# Altium PCB MP_PCBv2.PcbDoc (part 1 of 2)
Units mil, origin at the board's own origin, x right, y up, seen from the top; angles counter-clockwise.
Board outline 3645 x 2075 mil, 2 copper layers (Top Layer, Bottom Layer); 132 components, 125 nets, 476 pads, 163 vias.
Unrouted connection lines stored in the file: 10.
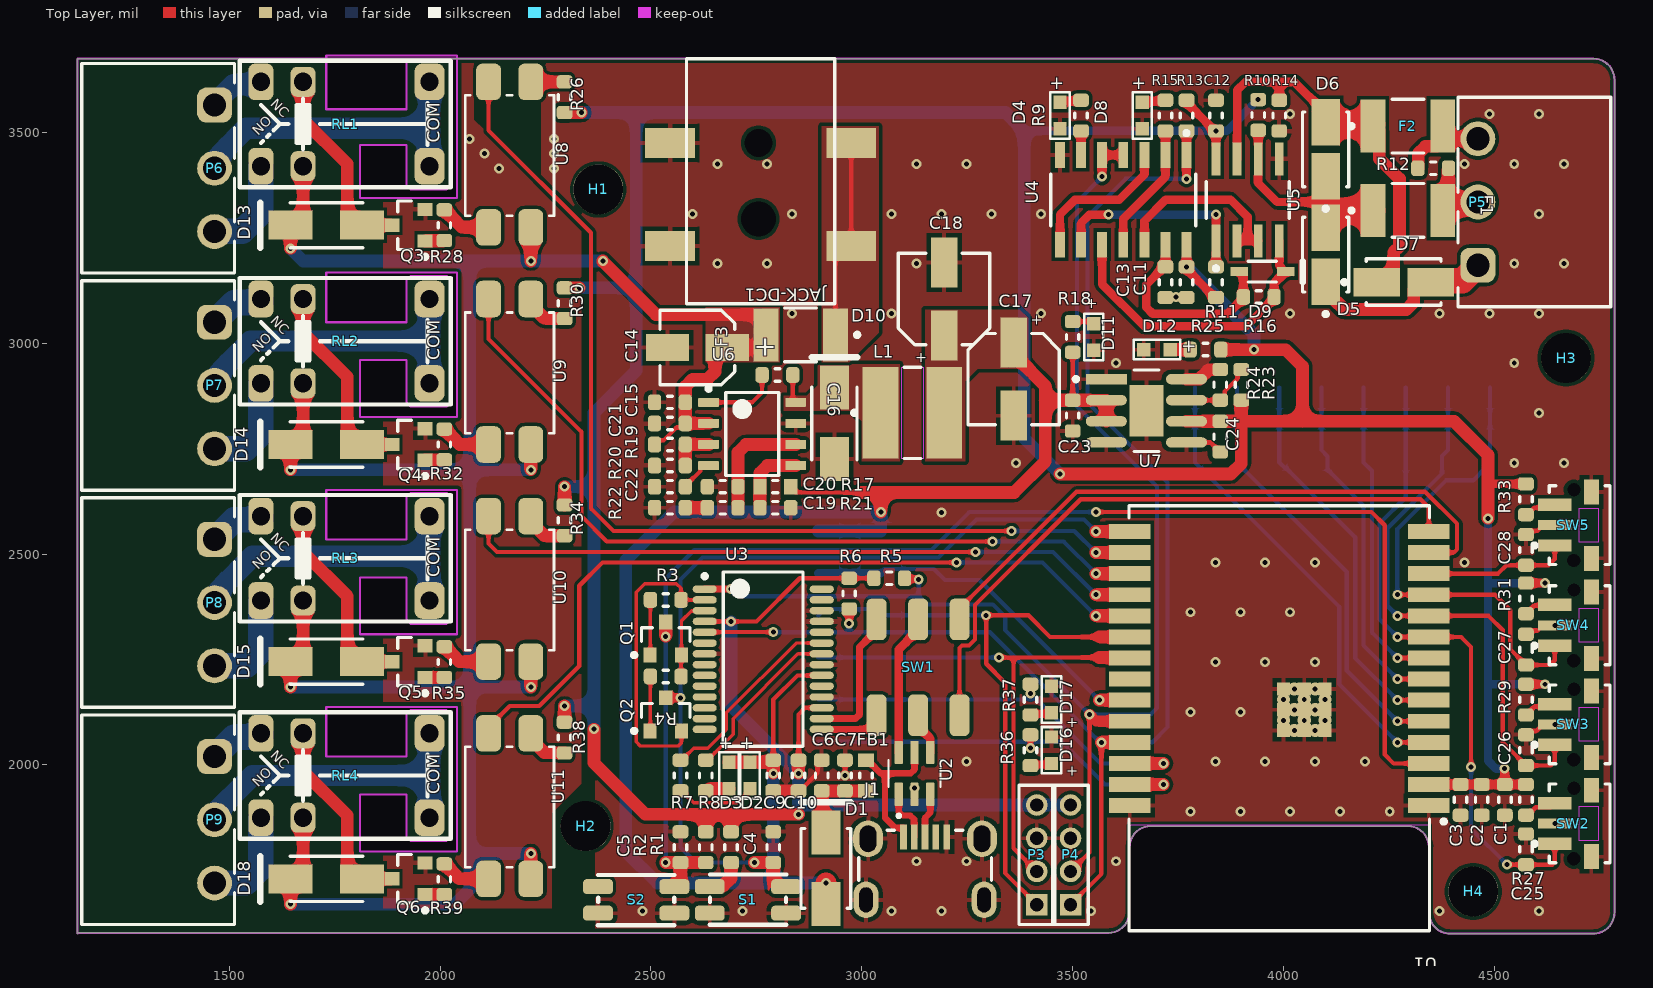
[diagram p0: Top Layer view]
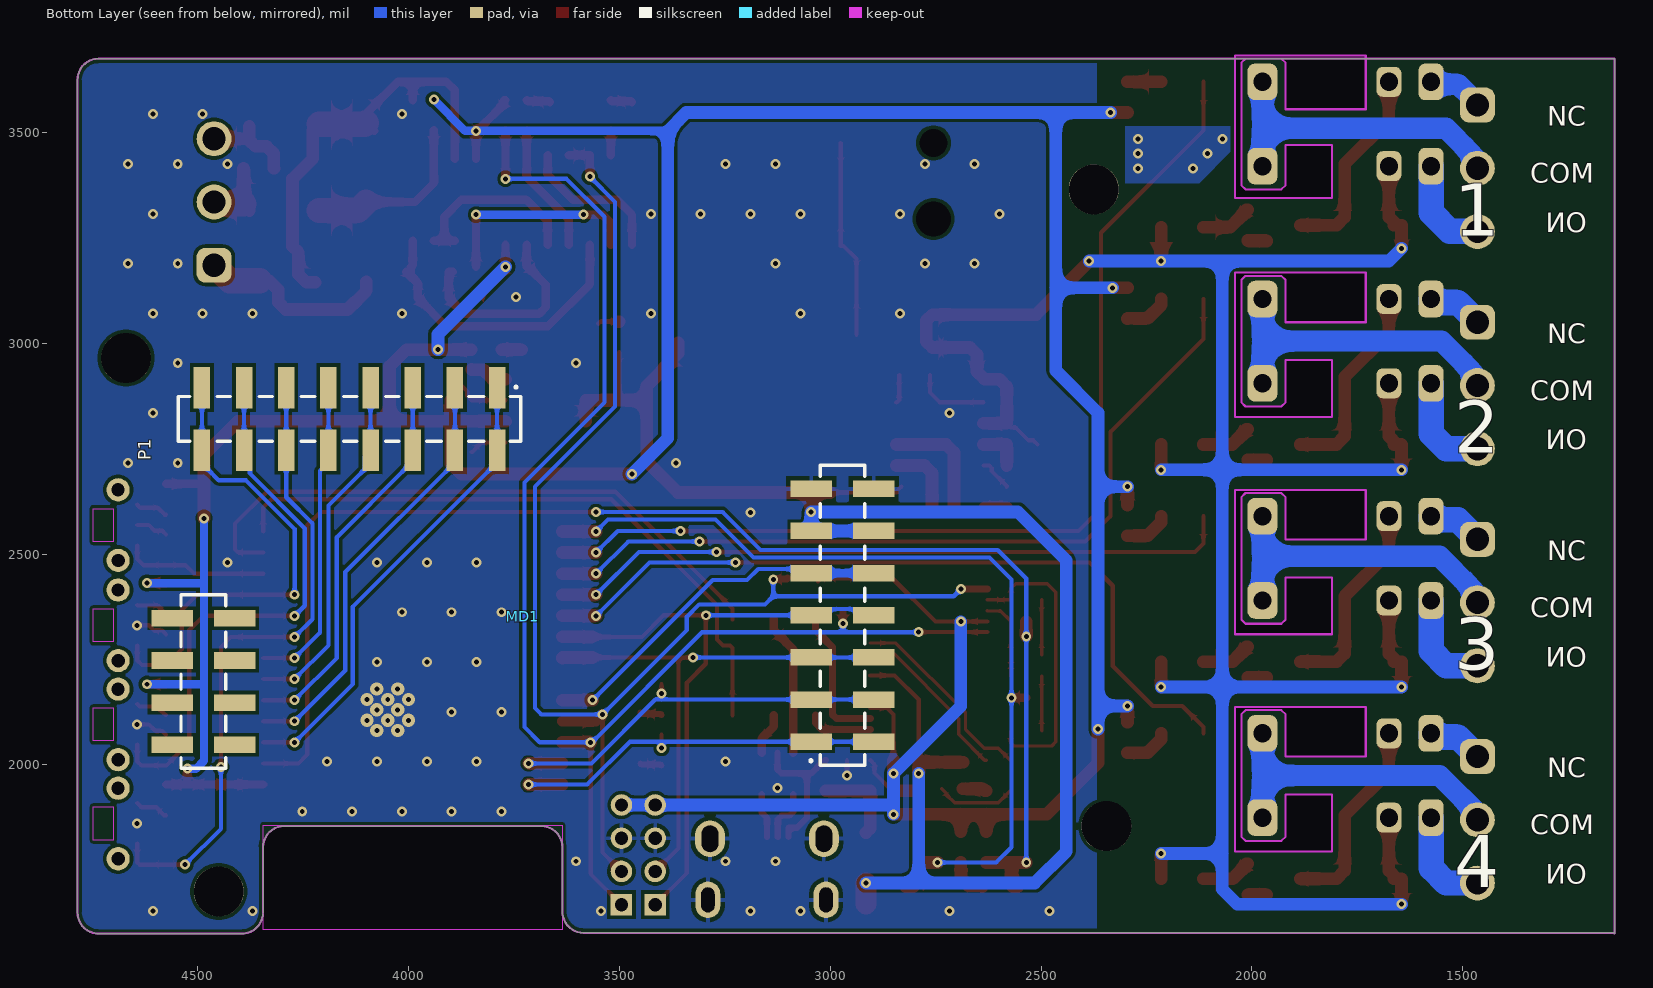
[diagram p1: Bottom Layer view, seen from below]
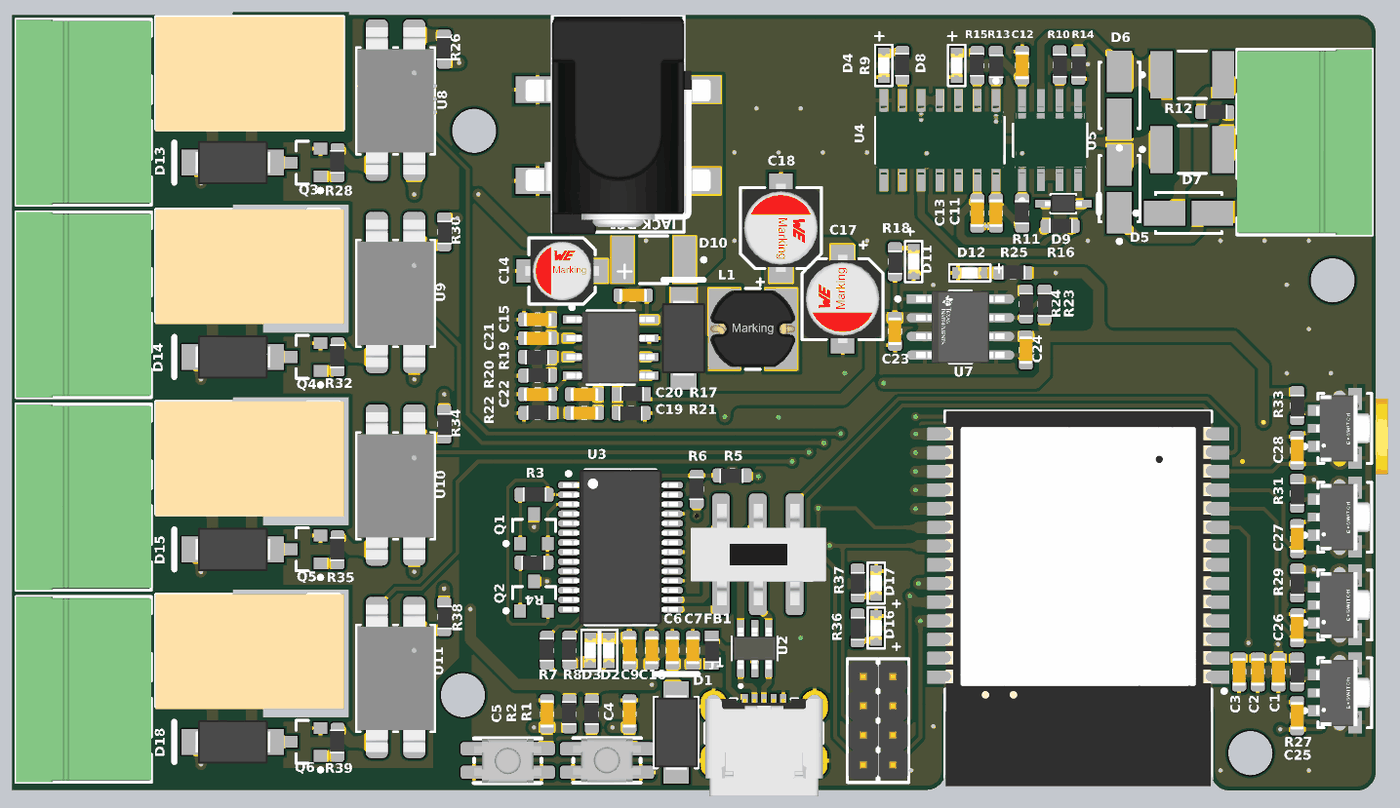
[diagram p3: 3D render of the assembled board from above, using the file's embedded part models]

## Layer stack, top to bottom
Top Solder: solder mask 0.4, Solder Resist, Dk 3.5
Top Layer: signal copper 1.4
Dielectric 1: dielectric 12.6, FR-4, Dk 4.8
Bottom Layer: signal copper 1.4
Bottom Solder: solder mask 0.4, Solder Resist, Dk 3.5

## Board outline
1140,1600 1141.95,1601.95 3585,1601.95 ccw(c3585,1651.95) 3635,1651.95 3635,1805 cw(c3685,1805) 3685,1855 4295,1855 cw(c4295,1805) 4345,1805 4345,1650 ccw(c4395,1650) 4395,1600 4735,1600 ccw(c4735,1650) 4785,1650 4785,3625 ccw(c4735,3625) 4735,3675 1140,3675
cut-out: 1920,3375 1920,3470 1810,3470 1810,3345 2040,3345 2040,3682.5 1730,3682.5 1730,3555 1920,3555 1920,3665 1930,3675 2015,3675 2025,3665 2025,3375 2015,3365 1930,3365
cut-out: 1810,2310 1810,2445 1920,2445 1920,2345 1930,2335 2015,2335 2025,2345 2025,2635 2015,2645 1930,2645 1920,2635 1920,2535 1730,2535 1730,2652.5 2040,2652.5 2040,2310
cut-out: 1810,1930 1920,1930 1920,1830 1930,1820 2015,1820 2025,1830 2025,2120 2015,2130 1930,2130 1920,2120 1920,2020 1730,2020 1730,2137.5 2040,2137.5 2040,1795 1810,1795
cut-out: 1810,2825 1810,2960 1920,2960 1920,2860 1930,2850 2015,2850 2025,2860 2025,3150 2015,3160 1930,3160 1920,3150 1920,3050 1730,3050 1730,3167.5 2040,3167.5 2040,2825

## Design rules (kind name [scope] priority, off if disabled: settings)
Clearance [All] p1: gap=8 ignorepadtopadclearanceinfootprint=TRUE
PolygonConnect PolygonConnect_2 [All vs IsNamedPolygon('GND_L01_P010') Or IsNamedPolygon('GND_L02_P009')] p1: connectstyle=Relief reliefconductorwidth=10 reliefentries=4 polygonreliefangle="90 Angle" airgapwidth=10
PolygonConnect PolygonConnect_1 [All vs IsNamedPolygon('5V_L01_P003') Or IsNamedPolygon('12V_L01_P000') Or IsNamedPolygon('NETC16_2_L01_P002') Or IsNamedPolygon('NETF3_1_L01_P001')] p2: thpad.connectstyle=Direct thpad.reliefconductorwidth=10 thpad.reliefentries=4 thpad.polygonreliefangle="90 Angle" thpad.airgapwidth=10 smdpad.connectstyle=Direct smdpad.reliefconductorwidth=10 smdpad.reliefentries=4 smdpad.polygonreliefangle="90 Angle" smdpad.airgapwidth=10 via.connectstyle=Relief via.reliefconductorwidth=10 via.reliefentries=4 via.polygonreliefangle="90 Angle" via.airgapwidth=10
PolygonConnect [All] p3: connectstyle=Relief reliefconductorwidth=10 reliefentries=4 polygonreliefangle="90 Angle" airgapwidth=10
RoutingCorners [All] p1: cornerstyle=45-Degree minsetback=50 maxsetback=50
RoutingTopology [All] p1: topology=Daisy_Balanced
RoutingVias [All] p1: holewidth=28 width=50 viastyle="Through Hole" minholewidth=28 minwidth=50 maxholewidth=28 maxwidth=50
SolderMaskExpansion [All] p1: expansion=4 istentingtop=FALSE
SupplyNets "Schematic Supply Nets_4" [InNet('3V3')] p1: voltage=0.000
SupplyNets "Schematic Supply Nets_3" [InNet('GND')] p2: voltage=0.000
SupplyNets "Schematic Supply Nets_2" [InNet('12V')] p3: voltage=0.000
SupplyNets "Schematic Supply Nets_1" [InNet('5V')] p4: voltage=0.000
SupplyNets "Schematic Supply Nets" [InNet('5V_USB')] p5: voltage=0.000
UnRoutedNet [All] p1: checkbadconnections=TRUE
UnpouredPolygon [All] p1: allowunpoured=TRUE
Width [All] p1: maxlimit=60 minlimit=8 preferedwidth=15 minimp=50.000000 maximp=50.000000 favimp=50.000000
26 further rules are at their usual default settings.

## Classes and differential pairs
component class "[MP] TTL UART USB": C6 C7 C9 C10 D1 D2 D3 FB1 J1 R5 R6 R7 R8 SW1 U2 U3
component class "[MP] RS485": C11 C13 D4 D5 D6 D7 D8 D9 F1 F2 P5 R9 R10 R11 R12 R13 R14 R15 R16 U4 U5
component class "[MP] Relay Control": C25 C26 C27 C28 D13 D14 D15 D16 D17 D18 P6 P7 P8 P9 Q3 Q4 Q5 Q6 R26 R27 R28 R29 R30 R31 R32 R33 R34 R35 R36 R37 R38 R39 RL1 RL2 RL3 RL4 SW2 SW3 SW4 SW5 U9 U10 U11
component class "[MP] Power Circuit": C14 C15 C16 C17 C18 C19 C20 C21 C22 C23 C24 D10 D11 D12 F3 H1 H2 H3 H4 JACK-DC1 L1 R17 R18 R19 R20 R21 R22 R23 R24 R25 U6 U7
component class "[MP] MCU": C1 C2 C3 C4 C5 P1 P3 P4 Q1 Q2 R1 R2 R3 R4 S1 S2 U1
component class "[MP] LoRa": MD1

## Components (designator, comment, footprint, x,y, rotation, side; value= is the part's Value field where it differs from the comment)
C1 "0106031061010" CAP_0603 4525,1917.28 r90 top value=10µF
C2 "0106031051016" CAP_0603 4470,1917.28 r90 top value=1µF
C3 "0106031041050" CAP_0603 4420,1917.28 r90 top value=100nF
C4 "0106031041050" CAP_0603 2790,1805 r90 top value=100nF
C5 "0106031041050" CAP_0603 2570,1805 r270 top value=100nF
C6 "0106031061010" CAP_0603 2905,1975 r270 top value=10µF
C7 "0106031041050" CAP_0603 2960,1975 r90 top value=100nF
C9 "0106031041050" CAP_0603 2790,1975 r90 top value=100nF
C10 "0106031041050" CAP_0603 2850,1975 r90 top value=100nF
C11 "0106031041050" CAP_0603 3770,3145 r90 top value=100nF
C12 "0106031041050" CAP_0603 3840,3540 r270 top value=100nF
C13 "0106031010550" CAP_0603 3720,3145 r90 top value=100pF
C14 "865080340003" WCAP-ASLI_D4H5.5 2610,2990 r0 top value=22µF
C15 "0106031041050" CAP_0603 2545,2860 r180 top value=100nF
C16 "0106031041050" CAP_0603 2800,2925 r0 top value=100nF
C17 "865080342006" WCAP-ASLI_D5H5.5 3360,2915 r90 top value=47µF
C18 "865080342006" WCAP-ASLI_D5H5.5 3195,3105 r270 top value=47µF
C19 "0106031020550" CAP_0603 2670,2610 r0 top value=1nF
C20 "0106034731050" CAP_0603 2670,2660 r0 top value=47nF
C21 "0106031030550" CAP_0603 2545,2810 r0 top value=10nF
C22 "0106031030550" CAP_0603 2545,2660 r0 top value=10nF
C23 "0106031051025" CAP_0603 3500,2828.58 r90 top value=1µF
C24 "0106031061010" CAP_0603 3850,2778.58 r90 top value=10µF
C25 "0106031041050" CAP_0603 4575,1800 r270 top value=100nF
C26 "0106031041050" CAP_0603 4575,2035 r270 top value=100nF
C27 "0106031041050" CAP_0603 4575,2273.58 r270 top value=100nF
C28 "0106031041050" CAP_0603 4575,2510 r270 top value=100nF
D1 "1N5408" FAIR-SMA-2_B_V 2915,1755 r90 top
D2 "160603WhiteClear" WL-SMCW_0603_H=0.7mm 2735,1975 r90 top value=White
D3 "160603WhiteClear" WL-SMCW_0603_H=0.7mm 2685,1975 r90 top value=White
D4 "160603WhiteBlur" WL-SMCW_0603_H=0.7mm 3470,3540 r90 top value=White
D5 "SMAJ6.8CA-E3/61" VISH-DO-214AC-2_M 4100,3210 r90 top
D6 "SMAJ6.8CA-E3/61" VISH-DO-214AC-2_M 4100,3460 r90 top
D7 "SMAJ6.8CA-E3/61" VISH-DO-214AC-2_M 4285,3145 r0 top
D8 "160603WhiteBlur" WL-SMCW_0603_H=0.7mm 3665,3540 r90 top value=White
D9 "1N4148WS" FAIR-SOD-323_V 3950,3170 r0 top
D10 "SS12" FAIR-DO-214AC-2_V 2935,2810 r90 top
D11 "160603GreenClear" WL-SMCW_0603_H=0.7mm 3550,3015 r90 top value="Green, 3.2V"
D12 "160603GreenClear" WL-SMCW_0603_H=0.7mm 3700,2985 r0 top value="Green, 3.2V"
D13 "SS210" SS210-Footprint-SMA 1730,3280 r180 top
D14 "SS210" SS210-Footprint-SMA 1730,2760 r180 top
D15 "SS210" SS210-Footprint-SMA 1730,2245 r180 top
D16 "160603RedClear" WL-SMCW_0603_H=0.7mm 3450,2035 r270 top value="Red, 2V"
D17 "160603BlueClear" WL-SMCW_0603_H=0.7mm 3450,2155 r270 top value="Blue, 3.2V"
D18 "SS210" SS210-Footprint-SMA 1730,1730 r180 top
F1 "MF-MSMF050" BOUR-MF-MSMF050-2_V 4295,3315 r0 top
F2 "MF-MSMF050" BOUR-MF-MSMF050-2_V 4295,3515 r0 top
F3 "MF-MSMF050" BOUR-MF-MSMF050-2_V 2855,3020 r180 top
FB1 "CBG160808U601T" CBG160808U601T-Footprint 3010,1975 r270 top
H1 "Tooling Hole 3mm" 3mm 2375,3365 r0 top
H2 "Tooling Hole 3mm" 3mm 2345,1855 r0 top
H3 "Tooling Hole 3mm" 3mm 4670,2965 r0 top
H4 "Tooling Hole 3mm" 3mm 4450,1700 r0 top
J1 "629105150521" 629105150521 3150,1715 r0 top
JACK-DC1 "DC050" DC050-Footprint-1 2755,3385 r180 top
L1 "78477410" WE-PD2A_5848 3120,2835 r0 top
MD1 "E32-433T30D" E32-433T30D 3890.95,2364.97 r0 bottom
P1 "SMD header 8p" "SMD header 8p" 3939.97,2820.95 r0 bottom
P3 "62000411121" 62000411121 3415,1786.89 r90 top value="2A, 200 V (AC)"
P4 "62000411121" 62000411121 3495,1786.89 r90 top value="2A, 200 V (AC)"
P5 "691322310003" 691322310003 4595,3335 r90 top value="10A, 300V"
P6 "691322310003" 691322310003 1331.14,3415 r270 top value="10A, 300V"
P7 "691322310003" 691322310003 1331.14,2900 r270 top value="10A, 300V"
P8 "691322310003" 691322310003 1331.14,2385 r270 top value="10A, 300V"
P9 "691322310003" 691322310003 1331.14,1870 r270 top value="10A, 300V"
Q1 "BC817-25LT1G" ONSC-SOT-23-3-318-08_V 2535,2300 r90 top
Q2 "BC817-25LT1G" ONSC-SOT-23-3-318-08_V 2535,2120 r90 top
Q3 "MMBTA42LT3G" ONSC-SOT-23-3-318-08_V 1925,3280 r180 top
Q4 "MMBTA42LT3G" ONSC-SOT-23-3-318-08_V 1925,2760 r180 top
Q5 "MMBTA42LT3G" ONSC-SOT-23-3-318-08_V 1925,2245 r180 top
Q6 "MMBTA42LT3G" ONSC-SOT-23-3-318-08_V 1925,1730 r180 top
R1 "0006031031" RES_0603 2690,1805 r90 top value=10k
R2 "0006031031" RES_0603 2630,1805 r90 top value=10k
R3 "0006031031" RES_0603 2535,2391.5 r0 top value=10k
R4 "0006031031" RES_0603 2535,2210 r180 top value=10k
R5 "0006031031" RES_0603 3065,2442.83 r180 top value=10k
R6 "0006031031" RES_0603 2970,2406.42 r90 top value=10k
R7 "0006031021" RES_0603 2570,1975 r90 top value=1k
R8 "0006031021" RES_0603 2630,1975 r90 top value=1k
R9 "0006035621" RES_0603 3520,3540 r90 top value=5.6k
R10 "0006034721" RES_0603 3940,3541.42 r270 top value=4.7k
R11 "0006034721" RES_0603 3840,3145 r90 top value=4.7k
R12 "0006031215" RES_0603 4355,3415 r0 top value=120
R13 "0006034721" RES_0603 3770,3540 r270 top value=4.7k
R14 "0006034721" RES_0603 3990,3540 r270 top value=4.7k
R15 "0006035621" RES_0603 3720,3540 r90 top value=5.6k
R16 "0006035835" RES_0603 3941.3,3110 r0 top value=58k
R17 "0006038251" 0006038251 2795,2660 r0 top value=8.2k
R18 "0006035621" RES_0603 3500,3015 r270 top value=5.6k
R19 "0006031041" RES_0603 2545,2760 r180 top value=100k
R20 "0006032031" RES_0603 2545,2710 r0 top value=20k
R21 "0006031521" RES_0603 2795,2610 r180 top value=1.5k
R22 "0006033835" RES_0603 2545,2610 r0 top value=38k
R23 "0006031541" RES_0603 3900,2901.42 r270 top value=150k
R24 "0006032801" RES_0603 3850,2901.42 r270 top value=28
R25 "0006033121" RES_0603 3815,2985 r0 top value=3.1k
R26 "0006032211" RES_0603 2295,3583.58 r90 top value=220
R27 "0006034721" RES_0603 4575,1917.28 r270 top value=4.7k
R28 "0006032221" RES_0603 2010,3280 r90 top value=2.2k
R29 "0006034721" RES_0603 4575,2155 r270 top value=4.7k
R30 "0006032211" RES_0603 2295,3095 r270 top value=220
R31 "0006034721" RES_0603 4575,2395 r270 top value=4.7k
R32 "0006032221" RES_0603 2010,2760 r90 top value=2.2k
R33 "0006034721" RES_0603 4575,2630 r270 top value=4.7k
R34 "0006032211" RES_0603 2295,2580 r270 top value=220
R35 "0006032221" RES_0603 2010,2244.02 r90 top value=2.2k
R36 "0006035621" RES_0603 3400,2035 r270 top value=5.6k
R37 "0006034721" RES_0603 3400,2155 r270 top value=4.7k
R38 "0006032211" RES_0603 2295,2065 r270 top value=220
R39 "0006032221" RES_0603 2010,1729.02 r90 top value=2.2k
RL1 "HFD23/012-1ZS" HFD23_012-1ZS-Footprint-1 1525,3370 r0 top
RL2 "HFD23/012-1ZS" HFD23_012-1ZS-Footprint-1 1525,2855 r0 top
RL3 "HFD23/012-1ZS" HFD23_012-1ZS-Footprint-1 1525,2340 r0 top
RL4 "HFD23/012-1ZS" HFD23_012-1ZS-Footprint-1 1525,1825 r0 top
S1 "Tactile Switch-3x4x2.5" "Tactile Switch-3x4x2.5 Footprint" 2730,1680 r0 top
S2 "Tactile Switch-3x4x2.5" "Tactile Switch-3x4x2.5 Footprint" 2465,1680 r180 top
SW1 "MSS-22D18G2" MSS-22D18G2 3155,2235 r0 top
SW2 "TL3340AF160QG" FP-TL3340AF160QG-MFG 4702.44,1861.26 r90 top
SW3 "TL3340AF160QG" FP-TL3340AF160QG-MFG 4702.44,2096.26 r90 top
SW4 "TL3340AF160QG" FP-TL3340AF160QG-MFG 4702.44,2331.26 r90 top
SW5 "TL3340AF160QG" FP-TL3340AF160QG-MFG 4702.44,2568.74 r90 top
U1 "ESP32-C6-WROOM-1" ESP32-C6-WROOM-1-Footprint 3990,2110.79 r180 top
U2 "USBLC6-2SC6" USBLC6-2SC6-Footprint-1 3125,1980 r90 top
U3 "FT232RL-REEL" FTDI-SSOP-28_L 2766.22,2250.75 r0 top
U4 "CD4069UBM" FP-D0014A-MFG 3620,3340 r270 top
U5 "MAX485ECSA+" FP-S8-5-MFG 3915,3340 r90 top
U6 "TPS54231DR" D0008A_L 2740,2785 r0 top
U7 "TPS7A7002DDAR" FP-DDA0008E-IPC_A 3675,2840 r0 top
U8 "PC817X2NIPW" PC817X2NIPW-Footprint 2165,3445 r270 top
U9 "PC817X2NIPW" PC817X2NIPW-Footprint 2165,2930 r270 top
U10 "PC817X2NIPW" PC817X2NIPW-Footprint 2165,2415 r270 top
U11 "PC817X2NIPW" PC817X2NIPW-Footprint 2165,1900 r270 top

## Footprints (in the part's own frame and the unit in brackets; to place one, negate y for a bottom-side part, rotate by r counter-clockwise, add the part's x,y. Pads: shape width x height; smd on the part's side, far side on the other; paste and mask are expansions set on the pad)
3mm [mm]
  round 3 hole 3 unplated: 0(0,0)
0006038251 [mm]
  rect 0.8x0.95 smd: 1(-0.925,0) 2(0.925,0)
  silkscreen extent -0.15,-0.38 0.15,0.38, body extent -0.75,-0.45 0.85,0.5, height 0.5
62000411121 [mm] "Pin Header, pitch 2.00 mm, THT, Vertical, single row, 4p"
  rect 1.3x1.3 hole 0.8: 1(-3,0)
  round 1.3 hole 0.8: 2(-1,0) 3(1,0) 4(3,0)
  silkscreen extent -4.2,-1.07 4.2,1.07, body extent -4,-1 4,1, height 6.05
629105150521 [mm]
  rect 0.4x1.5 smd: 1(-1.3,2.9) 2(-0.65,2.9) 3(0,2.9) 4(0.65,2.9) 5(1.3,2.9)
  oval 1.5x2.2 hole 0.8 slot 1.5 at 90 deg: Shell(-3.556,-0.889) Shell(3.556,-0.889)
  oval 1.8x2.2 hole 1 slot 1.6 at 90 deg: Shell(-3.429,2.794) Shell(3.429,2.794)
  silkscreen extent -4,0.3 4,3.3, body extent -4,-3.3 4,3.3, height 2.75
691322310003 [mm] "Horizontal PCB Header, pitch 3.81mm, 03p"
  rrect50% 2.1x2.1 hole 1.4: 1(-3.81,3.4)
  round 2.1 hole 1.4: 2(0,3.4) 3(3.81,3.4)
  silkscreen extent -6.31,-4.6 6.31,4.6, body extent -6.31,-4.6 6.31,4.6, height 7.25
BOUR-MF-MSMF050-2_V [mm] "SMD, 2-Leads, Body 4.55x3.24mm"
  rect 1.5x3.2 smd: 1(-2.1,0) 2(2.1,0)
  silkscreen extent -3.52,-1.62 0.95,1.62, body extent -2.27,-1.62 2.27,1.62, height 0.85
CAP_0603 [mm] "Chip Capacitor, 2-Leads, Body 1.80x0.80mm, IPC Medium Density"
  rrect50% 0.8x0.95 smd: 1(-0.925,0) 2(0.925,0)
  silkscreen extent -0.15,-0.38 0.15,0.38, body extent -0.95,-0.45 0.95,0.45, height 0.9
CBG160808U601T-Footprint [mm]
  rect 0.8x0.95 smd: 1(-0.925,0) 2(0.925,0)
  silkscreen extent -0.15,-0.38 0.15,0.38, body extent -0.75,-0.45 0.85,0.5, height 0.5
D0008A_L [mm] "SOIC, 8-Leads, Body 5x4mm, Pitch 1.27mm, IPC High Density"
  rrect18% 1.25x0.55 smd: 1(-2.625,1.905) 2(-2.625,0.635) 3(-2.625,-0.635) 4(-2.625,-1.905) 5(2.625,-1.905) 6(2.625,-0.635) 7(2.625,0.635) 8(2.625,1.905)
  silkscreen extent -2.75,-2.5 1.6,2.85, body extent -3,-2.45 3,2.45, height 1.63
DC050-Footprint-1 [mil]
  round 60 hole 82.68: 0(0,90)
  round 60 hole 66.93 mask+0: 0(0,-90)
  rect 118.11x70.87 smd: 1(-220,154.09) 1(-220,-90) 2(210,154.09) 3(210,-90)
  silkscreen extent -181,-290 171,291, body extent -253,-285 243,298, height 433
E32-433T30D [mm]
  rect 2.5x1 smd: 1(-25.249,7.873) 1(-21.487,7.873) 2(-25.249,5.333) 2(-21.487,5.333) 3(-25.249,2.793) 3(-21.487,2.793) 4(-25.249,0.253) 4(-21.487,0.253) 5(-25.249,-2.287) 5(-21.487,-2.287) 6(-25.249,-4.827) 6(-21.487,-4.827) 7(-25.249,-7.367) 7(-21.487,-7.367) 8(13.251,0.435) 8(17.013,0.435) 9(13.251,2.975) 9(17.013,2.975) 10(13.251,5.515) 10(17.013,5.515) 11(13.251,8.055) 11(17.013,8.055)
  silkscreen extent -24.71,-8.79 16.48,9.47, body extent -25.25,-10.25 23.53,10.75, height 14.51
ESP32-C6-WROOM-1-Footprint [mm]
  rect 2.5x0.9 smd paste+0 mask+0: 1(-9.008,5.26) 2(-9.008,3.99) 3(-9.008,2.72) 4(-9.008,1.45) 5(-9.008,0.18) 6(-9.008,-1.09) 7(-9.008,-2.36) 8(-9.008,-3.63) 9(-9.008,-4.9) 10(-9.008,-6.17) 11(-9.008,-7.44) 12(-9.008,-8.71) 13(-9.008,-9.98) 14(-9.008,-11.25) 15(9.008,-11.25) 16(9.008,-9.98) 17(9.008,-8.71) 18(9.008,-7.44) 19(9.008,-6.17) 20(9.008,-4.9) 21(9.008,-3.63) 22(9.008,-2.36) 23(9.008,-1.09) 24(9.008,0.18) 25(9.008,1.45) 26(9.008,2.72) 27(9.008,3.99) 28(9.008,5.26)
  rect 0.8x0.8 smd paste+0 mask+0: 28(-2.754,-0.508) 28(-2.754,0.742) 28(-2.754,-1.758) 28(-1.504,0.742) 28(-1.504,-0.508) 28(-1.504,-1.758) 28(-0.254,0.742) 28(-0.254,-0.508) 28(-0.254,-1.758)
  Keep-Out Layer region: -9,6.45 9,6.45 9,12.75 -9,12.75
  Keep-Out Layer region: -9,6.45 9,6.45 9,12.75 -9,12.75
  silkscreen extent -10.03,-12.8 9.05,12.8, body extent -9.01,-12.83 9.01,12.67, height 3.1
FAIR-DO-214AC-2_V [mm] "DO-214, 2-Leads, Body 4.375x2.725mm"
  rect 2.65x1.75 smd: 1(-2.15,0) 2(2.15,0)
  silkscreen extent -2.19,-1.36 3.98,1.36, body extent -2.6,-1.48 2.6,1.48, height 2.7
FAIR-SMA-2_B_V [mm] "Molded Diode, 2-Leads, Body 4.75x2.95mm"
  rect 2.65x1.75 smd: 1(-2.15,0) 2(2.15,0)
  silkscreen extent -2.4,-1.5 3.97,1.5, body extent -2.6,-1.48 2.6,1.48, height 2.7
FAIR-SOD-323_V [mm] "SODFL, 2-Leads, Body 1.25x1.7mm"
  rect 1.05x0.55 smd: 1(-1.4,0) 2(1.4,0)
  silkscreen extent -0.85,-0.63 2.43,0.63, body extent -1.25,-0.63 1.25,0.63, height 1
FP-D0014A-MFG [mm]
  rect 1.55x0.6 smd paste-1000 mask+0: 1(-2.7,3.81) 2(-2.7,2.54) 3(-2.7,1.27) 4(-2.7,0) 5(-2.7,-1.27) 6(-2.7,-2.54) 7(-2.7,-3.81) 8(2.7,-3.81) 9(2.7,-2.54) 10(2.7,-1.27) 11(2.7,0) 12(2.7,1.27) 13(2.7,2.54) 14(2.7,3.81)
  silkscreen extent -4.15,-4.38 1.55,4.38, body extent -3.57,-4.62 3.57,4.62, height 0.25
FP-DDA0008E-IPC_A [mm]
  rect 2.474x0.622 smd paste+0 mask+0: 1(-2.416,1.905)
  rrect100% 2.474x0.622 smd paste+0 mask+0: 2(-2.416,0.635) 3(-2.416,-0.635) 4(-2.416,-1.905) 5(2.416,-1.905) 6(2.416,-0.635) 7(2.416,0.635) 8(2.416,1.905)
  rect 2.025x3.1 smd paste-1000 mask+0: 9(0,0)
  silkscreen extent -4.37,-2.45 0.75,2.45, body extent -4.15,-2.95 4.15,2.95, height 0.25
FP-S8-5-MFG [mm]
  rect 1.98x0.53 smd paste+0 mask+0: 1(-2.465,1.905) 2(-2.465,0.635) 3(-2.465,-0.635) 4(-2.465,-1.905) 5(2.465,-1.905) 6(2.465,-0.635) 7(2.465,0.635) 8(2.465,1.905)
  silkscreen extent -4.25,-2.5 1.1,2.5, body extent -3.55,-2.75 3.55,2.75, height 0.25
FP-TL3340AF160QG-MFG [mm]
  rect 0.75x2 smd paste+0 mask+0: 1(-1.225,1.5) 3(1.225,1.5)
  rect 0.6x2 smd paste+0 mask+0: 2(0,1.5)
  round 1.4 smd far side paste-1000 mask+0: 4(-2.125,0.35) 5(2.125,0.35)
  rect 1.5x0.9 smd paste+0 mask+0: 6(-2,-0.7) 7(2,-0.7)
  round 0.6 hole 0.8 unplated: 18(-2.134,0.356) 19(2.124,0.349)
  Keep-Out Layer region: -1,-1.15 1,-1.15 1,0.05 -1,0.05
  silkscreen extent -2.37,-1.83 2.37,2.85, body extent -2.93,-1.92 2.93,2.25, height 0.25
FTDI-SSOP-28_L [mm] "SOP, 28-Leads, Body 10.5x5.6mm, Pitch 0.65mm, IPC High Density"
  oval 1.45x0.45 smd: 1(-3.525,4.225) 2(-3.525,3.575) 3(-3.525,2.925) 4(-3.525,2.275) 5(-3.525,1.625) 6(-3.525,0.975) 7(-3.525,0.325) 8(-3.525,-0.325) 9(-3.525,-0.975) 10(-3.525,-1.625) 11(-3.525,-2.275) 12(-3.525,-2.925) 13(-3.525,-3.575) 14(-3.525,-4.225) 15(3.525,-4.225) 16(3.525,-3.575) 17(3.525,-2.925) 18(3.525,-2.275) 19(3.525,-1.625) 20(3.525,-0.975) 21(3.525,-0.325) 22(3.525,0.325) 23(3.525,0.975) 24(3.525,1.625) 25(3.525,2.275) 26(3.525,2.925) 27(3.525,3.575) 28(3.525,4.225)
  silkscreen extent -3.65,-5.25 2.4,5.25, body extent -3.9,-5.25 3.9,5.25, height 2
HFD23_012-1ZS-Footprint-1 [mm]
  rrect50% 1.5x1.8 hole 1.1: 1(3.81,1.27) 2(3.81,6.35)
  rrect50% 1.5x2.2 hole 1.1: 3(1.27,6.35) 5(1.27,1.27)
  rrect50% 1.8x2.2 hole 1.1: 4(11.43,1.27) 4(11.43,6.35)
  silkscreen extent 0,0 12.7,7.62, body extent -0.05,-0.18 12.75,7.62, height 10.31
MSS-22D18G2 [mm]
  rrect50% 1.2x2.5 smd: 1(-3.048,2.8) 2(-0.548,2.8) 3(1.952,2.8) 4(-3.048,-2.97) 5(-0.548,-2.97) 6(1.952,-2.97)
  body extent -5.09,-3.56 4.08,3.35, height 5.78
ONSC-SOT-23-3-318-08_V [mm] "SOT23, 3-Leads, Body 2.92x1.3mm, Pitch 0.95mm"
  rect 0.9x0.8 smd: 1(-1,0.95) 2(-1,-0.95) 3(1,0)
  silkscreen extent -1.12,-1.46 0.65,2.02, body extent -0.65,-1.46 0.65,1.46, height 1.11
PC817X2NIPW-Footprint [mm]
  rrect50% 2.2x1.5 smd: 1(-4.445,1.27) 2(-4.445,-1.27) 3(4.318,-1.27) 4(4.318,1.27)
  silkscreen extent -3.63,-2.67 3.63,2.67, body extent -5,-2.54 5,2.54, height 4.6
RES_0603 [mm] "Chip Resistor, 2-Leads, Body 1.55x0.85mm, IPC Medium Density"
  rrect50% 0.8x0.95 smd: 1(-0.925,0) 2(0.925,0)
  silkscreen extent -0.15,-0.38 0.15,0.38, body extent -0.75,-0.45 0.85,0.5, height 0.5
"SMD header 8p" [mm]
  rect 1x2.5 smd: 1(-3.809,-1.881) 1(-3.809,1.881) 2(-1.269,-1.881) 2(-1.269,1.881) 3(1.271,-1.881) 3(1.271,1.881) 4(3.811,-1.881) 4(3.811,1.881) 5(6.351,-1.881) 5(6.351,1.881) 6(8.891,-1.881) 6(8.891,1.881) 7(11.431,-1.881) 7(11.431,1.881) 8(13.971,-1.881) 8(13.971,1.881)
  silkscreen extent -5.23,-1.93 15.39,1.35
SS210-Footprint-SMA [mm]
  rect 2.65x1.75 smd: 1(-2.15,0) 2(2.15,0)
  silkscreen extent -2.19,-1.36 3.98,1.36, body extent -2.6,-1.48 2.6,1.48, height 2.7
"Tactile Switch-3x4x2.5 Footprint" [mm]
  rrect50% 1.8x0.9 smd: 1(-2.3,0.8) 2(2.3,0.8) 3(2.3,-0.8) 4(-2.3,-0.8)
  silkscreen extent -2.3,-1.5 2.31,1.52, body extent -2.3,-1.48 2.3,1.52, height 2.47
USBLC6-2SC6-Footprint-1 [mm]
  rrect25% 1.4x0.5 smd: 1(-1.255,0.95) 2(-1.255,0) 3(-1.255,-0.95) 4(1.255,-0.95) 5(1.255,0) 6(1.255,0.95)
  silkscreen extent -2.65,-1.57 0.81,1.57, body extent -1.4,-1.46 1.4,1.46, height 1.44
VISH-DO-214AC-2_M [mm] "DO-214AC, 2-Leads, Body 4.5x2.79mm, IPC Low Density"
  rect 2.8x1.7 smd: 1(-1.625,0) 2(1.625,0)
  silkscreen extent -3.7,-1.4 2.25,1.4, body extent -2.25,-1.39 2.25,1.4, height 2.29
WCAP-ASLI_D4H5.5 [mm] "Aluminium Electrolytic V-Chip SMT Capacitors, 4x5.5mm"
  rect 2.6x1.6 smd: 1(1.8,0) 2(-1.8,0)
  silkscreen extent -2.25,-2.25 2.25,2.25, body extent -2.5,-2.15 2.5,2.15, height 5.5
WCAP-ASLI_D5H5.5 [mm] "Aluminium Electrolytic V-Chip SMT Capacitors, 5x5.5mm"
  rect 3x1.6 smd: 1(2.2,0) 2(-2.2,0)
  silkscreen extent -2.75,-2.75 2.75,2.75, body extent -3,-2.65 3,2.65, height 5.5
WE-PD2A_5848 [mm] "SMD Power Inductor, body 5.8x5.2mm"
  rect 2.15x5.5 smd: 1(-1.925,0) 2(1.925,0)
  Top Layer keep-out region: -0.65,2.75 0.65,2.75 0.65,-2.75 -0.65,-2.75
  silkscreen extent -3.62,-2.75 0.5,2.75, body extent -2.9,-2.6 2.89,2.6, height 4.5
WL-SMCW_0603_H=0.7mm [mm] "SMD Mono-color Chip LED, body 1.6x0.8mm"
  rect 0.8x0.8 smd: 1(-0.8,0) 2(0.8,0)
  silkscreen extent -1.4,-0.58 1.4,0.58, body extent -0.8,-0.4 0.8,0.4, height 0.7
